# Altium PCB Length Bar Comparator.PcbDoc (part 6 of 6)
Units mm, origin at the board's own origin, x right, y up, seen from the top; angles counter-clockwise.
Board outline 299.85 x 245.49 mm, 4 copper layers (Top Layer, Internal Plane 1, Internal Plane 2, Bottom Layer), stack 0.778 mm thick; 462 components, 376 nets, 1824 pads, 805 vias.
Unrouted connection lines stored in the file: 8.
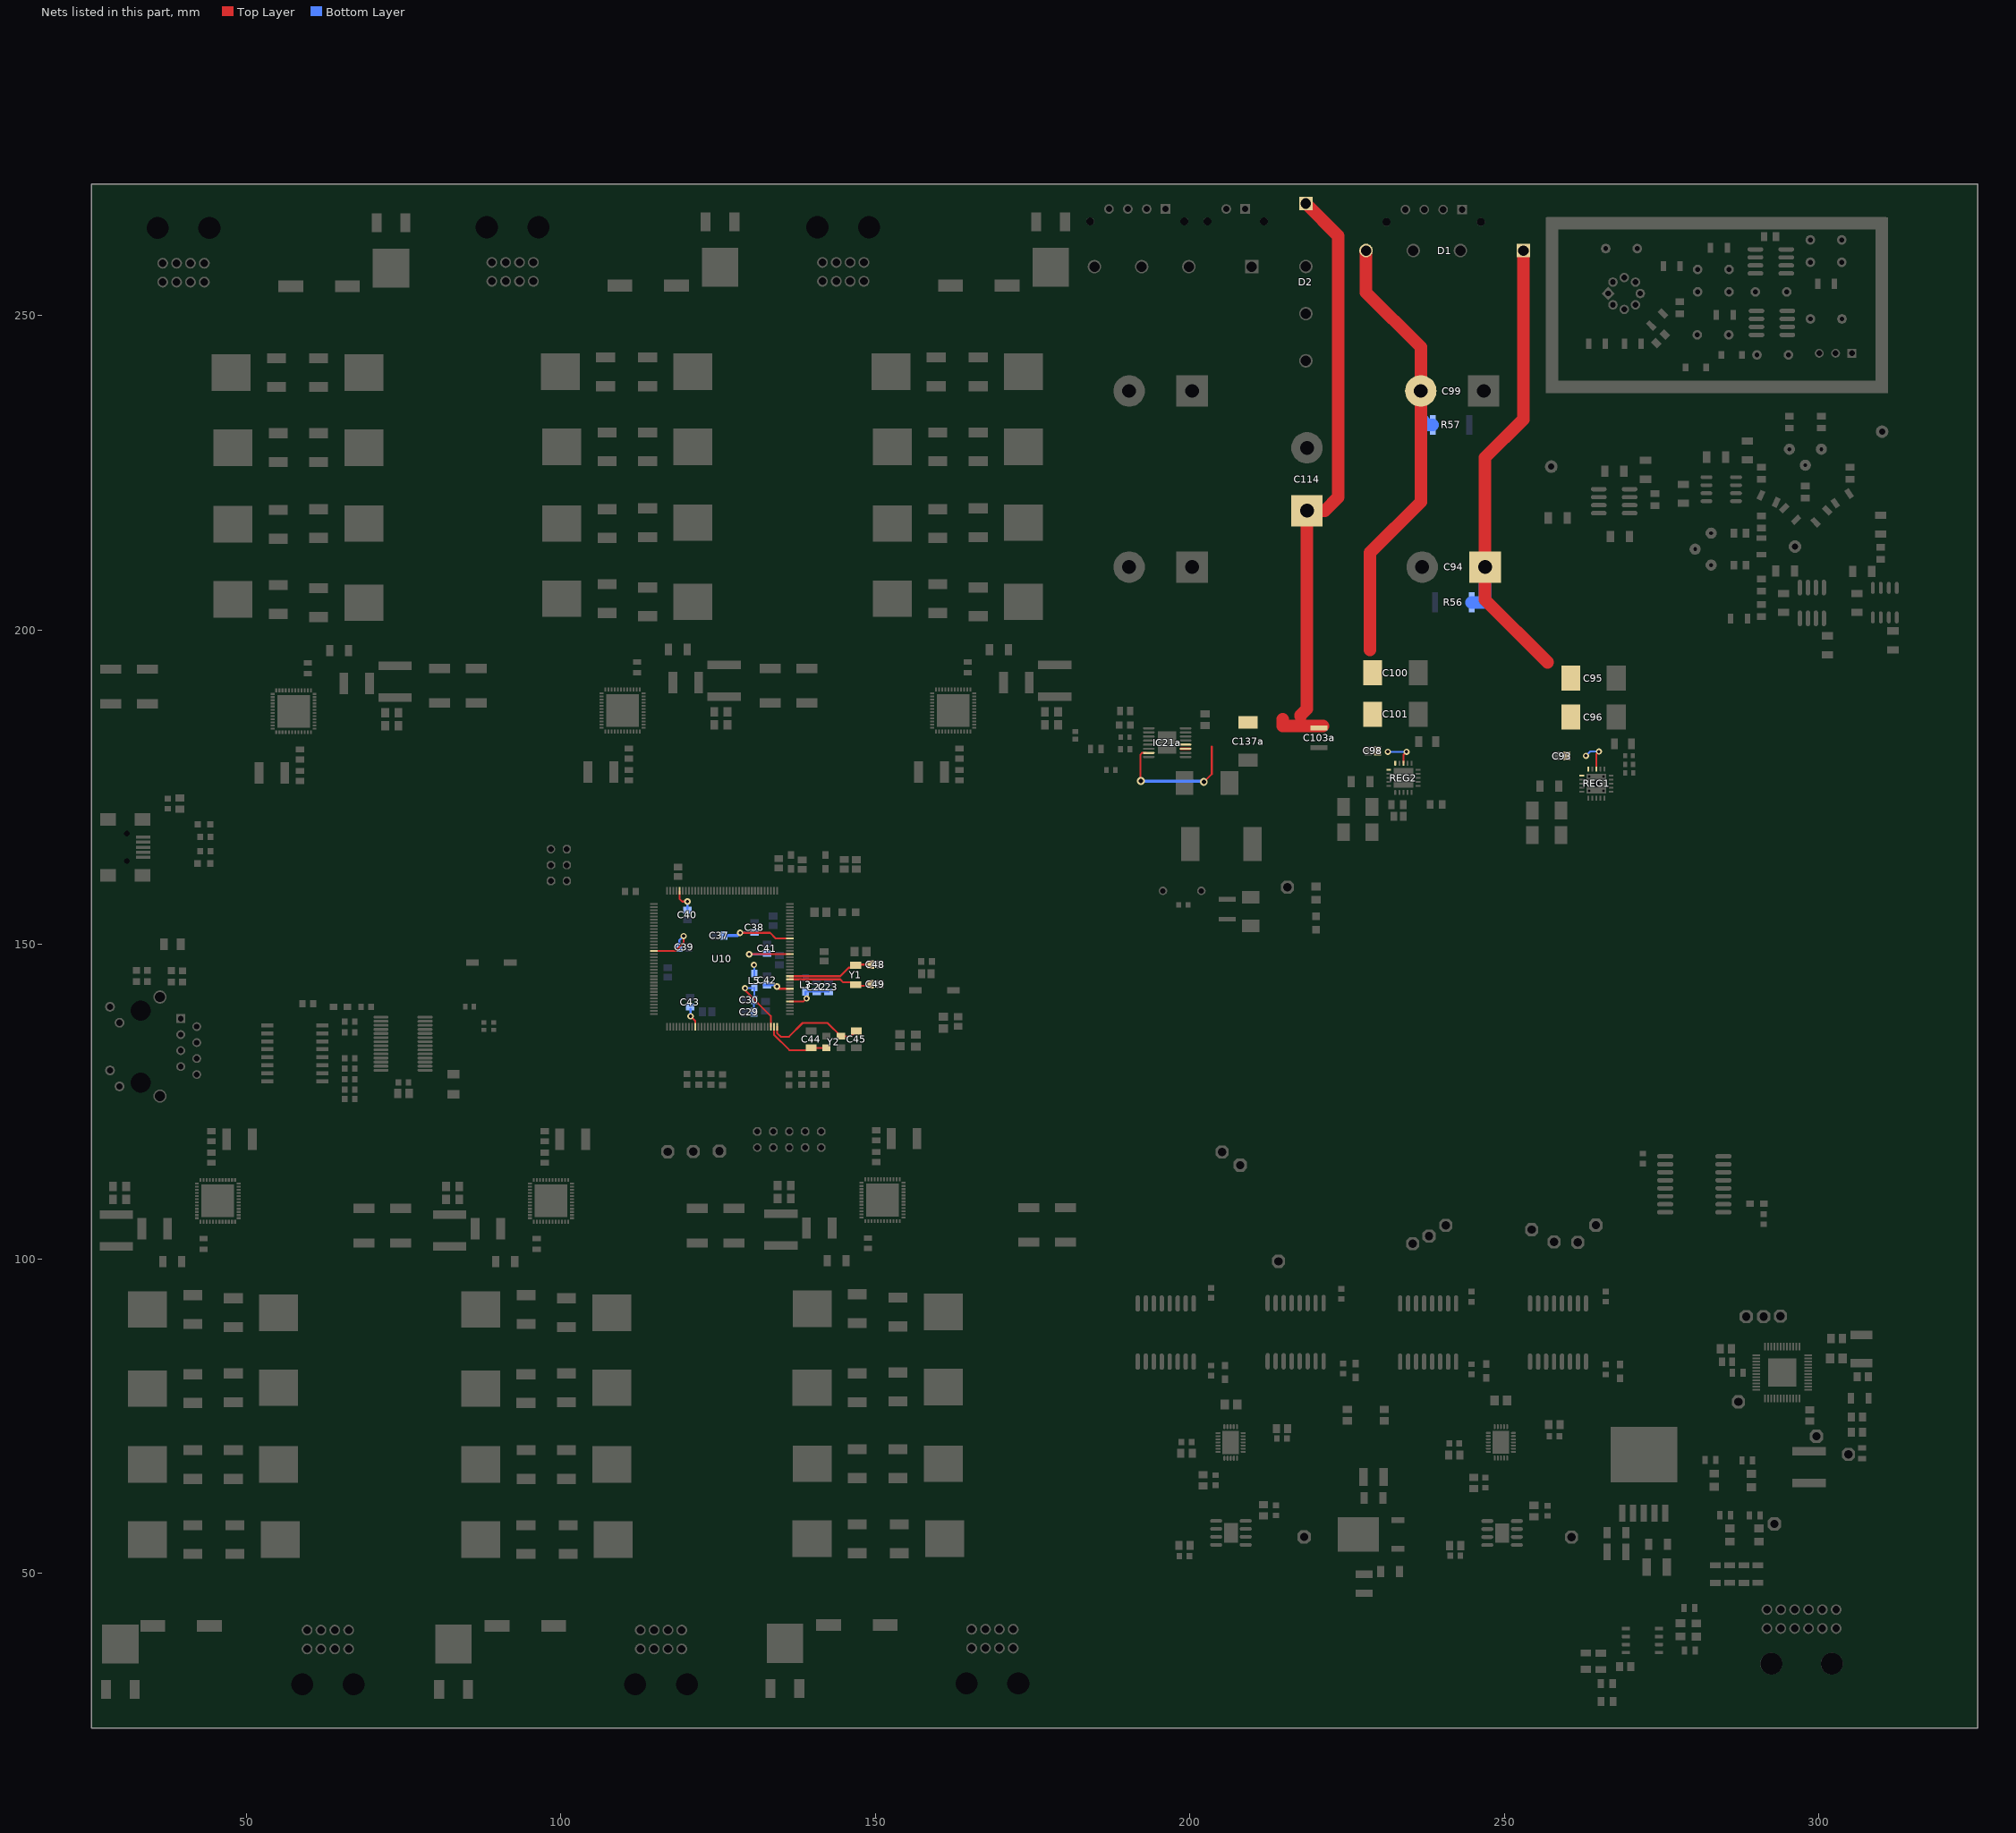
[diagram p8: the nets of this part, all layers, seen from the top]

## Via types
v1: diameter 1.016, hole 0.508, Top Layer to Bottom Layer, 512 vias
v2: diameter 1.27, hole 0.711, Top Layer to Bottom Layer, 194 vias
v3: diameter 1.5, hole 1, Top Layer to Bottom Layer, 31 vias
v4: diameter 2, hole 1, Top Layer to Bottom Layer, 24 vias
v5: diameter 0.762, hole 0.381, Top Layer to Bottom Layer, 20 vias
v6: diameter 1, hole 0.7, Top Layer to Bottom Layer, 6 vias
v7: diameter 1.27, hole 0.7, Top Layer to Bottom Layer, 6 vias
v8: diameter 3, hole 2, Top Layer to Bottom Layer, 4 vias
v9: diameter 0.5, hole 0.2, Top Layer to Bottom Layer, 4 vias
v10: diameter 1.4, hole 1, Top Layer to Bottom Layer, 2 vias
v11: diameter 1, hole 0.5, Top Layer to Bottom Layer, 1 vias
v12: diameter 1, hole 0.75, Top Layer to Bottom Layer, 1 vias

## Nets (pads, with @x,y where several pads share a name; then routed paths per layer and width w, separated by ;. In a path a pad name is that pad's centre, name@x,y a point inside that pad or via, vN(x,y) a via of type N, cw(c..) or ccw(c..) an arc to the next point about the centre after c; other vN are vias at no path point) (continued)
VDDOUT: C37.1 C38.1 C39.1 C40.1 C41.1 C42.1 C43.1 L5.1 U10.10 U10.45 U10.56 U10.61 U10.104 U10.124 | length 46.2
  Top Layer w0.305: U10.124@114.803,148.951 118.166,148.951 119.507,150.292 v1(119.507,151.333) ; U10.104@118.853,158.501 118.853,157.245 119.278,156.82 v1(120.117,156.82) ; v1(120.599,138.582) 121.353,137.829 U10.10@121.353,136.901 ; v1(128.473,151.841) 133.248,151.841 134.139,150.951 U10.61@136.403,150.951 ; v1(129.921,148.438) 129.934,148.451 U10.56@136.403,148.451 ; v1(134.341,143.313) 134.341,143.256 134.646,142.951 U10.45@136.403,142.951
  Bottom Layer w0.305: C39.1@118.833,149.555 118.833,150.659 v1(119.507,151.333) ; C40.1@120.117,155.69 v1(120.117,156.82) ; C43.1@120.574,139.814 120.599,139.788 v1(120.599,138.582) ; v1(128.473,151.841) 130.671,151.841 C38.1@130.785,151.955 ; v1(130.683,146.736) 130.734,146.685 L5.1@130.734,145.347 L5.1@130.734,145.009 ; 130.683,148.438 v1(129.921,148.438) ; 130.71,148.438 v1(129.921,148.438) ; C42.1@132.22,143.522 C42.1@132.766,143.522 134.1,143.522 134.309,143.313 v1(134.341,143.313) 134.448,143.313 v1@134.518,143.383 ; C41.1@132.766,148.577 132.627,148.438 v1(129.921,148.438)
  Bottom Layer w0.5: C37.1@125.921,151.409 128.041,151.409 v1(128.473,151.841)
VDDOUTMI: C22.1 C23.1 L3.2 U10.41 | length 7.6
  Top Layer w0.305: U10.41@136.403,140.951 138.589,140.951 v1(139.04,141.402)
  Bottom Layer w0.305: v1(139.04,141.402) 138.887,141.554 L3.2@138.887,142.486 142.514,142.486 C23.1@142.545,142.455
VDDPLL: C29.1 C30.1 L5.2 U10.34 | length 13
  Top Layer w0.305: v1(129.261,143.053) 129.261,142.723 133.353,138.63 U10.34@133.353,136.901
  Bottom Layer w0.305: v1(129.261,143.053) L5.2@130.454,143.053 ; C29.1@130.671,139.243 130.671,141.148 C30.1@130.696,141.173 130.734,141.211 L5.2@130.734,143.147
Vin2+: C103a.2 C114.1 C137a.2 D2.1 IC21a.3 IC21a.4 IC21a.15 | length 118.2
  Top Layer w0.3: v2(192.176,175.971) 192.091,176.057 192.091,180.167 192.371,180.447 IC21a.15@193.039,180.447 ; v2(202.184,175.819) 203.454,177.089 203.454,181.432
  Top Layer w0.381: IC21a.3@198.575,181.096 IC21a.3@199.982,181.096
  Top Layer w2: 214.73,185.801 214.73,184.714 C103a.2@221.132,184.714 ; 217.576,186.284 217.576,186.436 218.592,187.452 C114.1@218.592,218.948 221.412,218.948 223.571,221.107 223.571,262.639 D2.1@218.415,267.795
  Bottom Layer w0.5: v2(192.176,175.971) 202.032,175.971 v2(202.184,175.819)
Vin+: C93.2 C94.1 C95.1 C96.1 D1.1 R56.2 REG1.13 REG1.15 REG1.16 | length 84.9
  Top Layer w0.305: REG1.13@264.592,177.89 264.592,180.264 v1(264.998,180.67)
  Top Layer w2: D1.1@252.987,260.325 252.987,233.48 246.906,227.399 C94.1@246.906,210 246.906,204.808 256.845,194.869
  Bottom Layer w0.305: v1(262.941,179.984) 263.627,180.67 v1(264.998,180.67)
  Bottom Layer w2: R56.2@244.759,204.394 246.583,204.394 246.906,204.716 C94.1@246.906,210
Vin-: C98.1 C99.2 C100.2 C101.2 D1.4 R57.1 REG2.13 REG2.15 REG2.16 | length 82.2
  Top Layer w0.305: REG2.13@233.92,178.809 233.92,180.123 v1(234.417,180.619)
  Top Layer w2: D1.4@227.987,260.325 227.987,253.673 236.681,244.979 C99.2@236.681,238 236.681,220.374 228.6,212.293 228.6,196.799
  Bottom Layer w0.305: v1(231.445,180.619) v1(234.417,180.619)
  Bottom Layer w2: C99.2@236.681,238 236.681,233.625 237.693,232.613 R57.1@238.578,232.613
XIN: C45.1 U10.36 Y2.1 | length 16
  Top Layer w0.305: U10.36@134.353,136.901 134.353,135.928 134.95,135.331 136.246,135.331 138.43,137.516 142.385,137.516 Y2.1@144.508,135.393 146.108,135.393 C45.1@146.964,136.249
XIN32: C49.1 U10.48 Y1.P$2 | length 13.2
  Top Layer w0.305: U10.48@136.403,144.451 144.398,144.451 144.882,143.967 146.456,143.967 Y1.P$2@146.837,143.586 146.989,143.434 C49.1@149.212,143.434
XOUT: C44.1 U10.35 Y2.3 | length 10.8
  Top Layer w0.305: U10.35@133.853,136.901 133.853,135.666 136.322,133.198 139.424,133.198 C44.1@139.776,133.549 142.201,133.549 Y2.3@142.207,133.543
XOUT32: C48.1 U10.49 Y1.P$1 | length 13.6
  Top Layer w0.305: U10.49@136.403,144.951 144.392,144.951 145.745,146.304 146.456,146.304 Y1.P$1@146.837,146.686 146.938,146.787 C48.1@149.237,146.787
pads on no net: CON2.8 IC2.1 IC2.2 IC2.5 IC2.8 IC3.1 IC3.5 IC3.8 IC4.1 IC4.2 IC4.5 IC4.8 IC5.1 IC5.5 IC5.8 IC6.1 IC6.5 IC6.8 IC8.1 IC8.5 IC8.8 IC21a.1 IC21a.16 J1.7 J1.MH1 J1.MH2 J2.13 J2.14 P1.1 P1_1.9 P1_1.10 P1_2.9 P1_2.10 P1_3.9 P1_3.10 P1_4.9 P1_4.10 P1_5.9 P1_5.10 P1_6.9 P1_6.10 P2.1 P3.1 REG1.2 REG1.6 REG1.8 REG1.17 REG1.18 REG1.19 REG2.2 REG2.4 REG2.5 REG2.6 REG2.8 REG2.9 REG2.10 REG2.11 REG2.12 REG2.17 REG2.18 REG2.19 T1.4 T1.5 T1.10 T1.12 T1.13 U1.5 U1.6 U1.7 U1.8 U1.9 U1.17 U1.18 U1.19 U1.29 U1.30 U1.31 U1.32 U1.35 U1.36 U1.39 U1.40 U1.41 U1.42 U1_1.1 U1_1.10 U1_1.19 U1_1.20 U1_1.28 U1_1.37 U1_1.38 U1_1.39 U1_1.46 U1_1.47 U1_2.1 U1_2.10 U1_2.19 U1_2.20 U1_2.28 U1_2.37 U1_2.38 U1_2.39 U1_2.46 U1_2.47 U1_3.1 U1_3.10 U1_3.19 U1_3.20 U1_3.28 U1_3.37 U1_3.38 U1_3.39 U1_3.46 U1_3.47 U1_4.1 U1_4.10 U1_4.19 U1_4.20 U1_4.28 U1_4.37 U1_4.38 U1_4.39 U1_4.46 U1_4.47 U1_5.1 U1_5.10 U1_5.19 U1_5.20 U1_5.28 U1_5.37 U1_5.38 U1_5.39 U1_5.46 U1_5.47 U1_6.1 U1_6.10 U1_6.19 U1_6.20 U1_6.28 U1_6.37 U1_6.38 U1_6.39 U1_6.46 U1_6.47 U3.10 U3.21 U3.22 U3.23 U4.1 U4.5 U4.8 U5.6 U5.11 U6.3 U6.5 U6.24 U8.10 U8.21 U8.22 U8.23 U9.1 U9.5 U9.8 U10.1 U10.2 U10.3 U10.4 U10.5 U10.6 U10.7 U10.8 U10.9 U10.21 U10.22 U10.23 U10.24 U10.25 U10.26 U10.27 U10.32 U10.50 U10.51 U10.55 U10.69 U10.86 U10.87 U10.103 U10.111 U10.116 U10.117 U10.132 U10.142 U10.143 U10.144 U11.6 U11.11 U12.7 X1.4 X1.10 X1.11
copper on no net: | length 3.7
  Top Layer w0.305: v1@291.639,119.503 v1(291.643,119.507)
  Top Layer w1: 287.934,119.503 v1@291.639,119.503
  other v8: 283.693,238.658 257.531,251.612 309.982,251.612 283.693,264.693

## Polygon pours and split planes (outlines as drawn)
NetP1_5_7 on Top Layer "NETP1_5_7_L01_P598" (solid, remove dead copper, pour order 598): 95.579,208.534 82.498,208.534 82.498,257.302 91.769,257.302 91.769,260.858 77.291,260.858 77.291,198.12 95.579,198.12
NetP1_5_7 on Top Layer "NETP1_5_7_L01_P580" (solid, pour order 580): 115.835,198.099 96.658,198.099 96.531,198.226 96.404,198.099 93.864,198.099 93.864,208.513 104.024,208.513 104.024,200.639 111.644,200.639 111.644,204.703 115.835,204.703
NetQ3_5_3 on Top Layer "NETQ3_5_3_L01_P588" (solid, pour order 588): 82.879,192.278 82.879,197.358 78.434,197.358 78.434,192.278
NetP1_6_7 on Top Layer "NETP1_6_7_L01_P624" (solid, remove dead copper, pour order 624): 43.28,208.407 30.199,208.407 30.199,257.175 39.47,257.175 39.47,260.731 24.992,260.731 24.992,197.993 43.28,197.993
MOTOR_GND on Top Layer "MOTOR_GND_L01_P622" (solid, pour order 622): 37.565,184.277 37.565,190.246 25.5,190.246 25.5,184.277
NetQ7_6_3 on Top Layer "NETQ7_6_3_L01_P620" (solid, pour order 620): 36.549,197.231 31.85,197.231 31.85,192.151 36.549,192.151
NetP1_6_3 on Top Layer "NETP1_6_3_L01_P618" (solid, pour order 618): 43.28,220.345 36.676,220.345 36.676,252.73 39.47,252.73 39.47,256.667 30.961,256.667 30.961,209.931 43.28,209.931
NetP1_6_3 on Top Layer "NETP1_6_3_L01_P616" (solid, pour order 616): 63.663,209.91 44.486,209.91 44.359,210.037 44.232,209.91 41.692,209.91 41.692,220.324 51.852,220.324 51.852,212.45 59.472,212.45 59.472,216.514 63.663,216.514
NetQ3_6_3 on Top Layer "NETQ3_6_3_L01_P614" (solid, pour order 614): 30.58,192.151 30.58,197.231 26.135,197.231 26.135,192.151
NetP1_6_1 on Top Layer "NETP1_6_1_L01_P612" (solid, pour order 612): 42.645,232.537 40.486,232.537 40.486,249.555 44.169,249.555 44.169,256.667 40.105,256.667 40.105,251.841 37.565,251.841 37.565,222.123 42.645,222.123
NetP1_6_5 on Top Layer "NETP1_6_5_L01_P610" (solid, pour order 610): 45.312,257.175 40.232,257.175 40.232,260.731 45.312,260.731
NetP1_6_5 on Top Layer "Bottom Layer-No Net" (solid, pour order 608): 51.535,247.777 51.535,260.731 45.058,260.731 45.058,247.777
NetP1_6_7 on Top Layer "NETP1_6_7_L01_P606" (solid, pour order 606): 63.536,197.972 44.359,197.972 44.232,198.099 44.105,197.972 41.565,197.972 41.565,208.386 51.725,208.386 51.725,200.512 59.345,200.512 59.345,204.576 63.536,204.576
NetP1_6_1 on Top Layer "NETP1_6_1_L01_P604" (solid, pour order 604): 63.6,222.123 44.423,222.123 44.296,222.25 44.169,222.123 41.629,222.123 41.629,232.537 51.789,232.537 51.789,224.663 59.409,224.663 59.409,228.727 63.6,228.727
NetP1_6_5 on Top Layer "NETP1_6_5_L01_P602" (solid, pour order 602): 63.6,234.061 44.169,234.061 44.042,234.188 43.915,234.061 41.375,234.061 41.375,248.666 51.535,248.666 51.535,236.601 59.155,236.601 59.155,240.792 63.6,240.792
MOTOR_GND on Top Layer "MOTOR_GND_L01_P596" (solid, pour order 596): 89.864,184.404 89.864,190.373 77.799,190.373 77.799,184.404
NetQ7_5_3 on Top Layer "NETQ7_5_3_L01_P594" (solid, pour order 594): 88.848,197.358 84.149,197.358 84.149,192.278 88.848,192.278
NetP1_5_3 on Top Layer "NETP1_5_3_L01_P592" (solid, pour order 592): 95.579,220.472 88.975,220.472 88.975,252.857 91.769,252.857 91.769,256.794 83.26,256.794 83.26,210.058 95.579,210.058
NetP1_5_3 on Top Layer "NETP1_5_3_L01_P590" (solid, pour order 590): 115.962,210.037 96.785,210.037 96.658,210.164 96.531,210.037 93.991,210.037 93.991,220.451 104.151,220.451 104.151,212.577 111.771,212.577 111.771,216.641 115.962,216.641
NetP1_5_1 on Top Layer "NETP1_5_1_L01_P586" (solid, pour order 586): 94.944,232.664 92.785,232.664 92.785,249.682 96.468,249.682 96.468,256.794 92.404,256.794 92.404,251.968 89.864,251.968 89.864,222.25 94.944,222.25
NetP1_5_5 on Top Layer "Bottom Layer-No Net" (solid, pour order 582): 103.834,247.904 103.834,260.858 97.357,260.858 97.357,247.904
NetP1_5_1 on Top Layer "NETP1_5_1_L01_P578" (solid, pour order 578): 115.899,222.25 96.722,222.25 96.595,222.377 96.468,222.25 93.928,222.25 93.928,232.664 104.088,232.664 104.088,224.79 111.708,224.79 111.708,228.854 115.899,228.854
NetP1_5_5 on Top Layer "NETP1_5_5_L01_P576" (solid, pour order 576): 115.899,234.188 96.468,234.188 96.341,234.315 96.214,234.188 93.674,234.188 93.674,248.793 103.834,248.793 103.834,236.728 111.454,236.728 111.454,240.919 115.899,240.919
"Drain Current5" on Top Layer "DRAIN_CURRENT5_L01_P574" (solid, pour order 574): 128.599,198.247 128.599,260.858 117.169,260.858 117.169,198.247
NetP1_4_7 on Top Layer "NETP1_4_7_L01_P572" (solid, remove dead copper, pour order 572): 148.132,208.534 135.051,208.534 135.051,257.302 144.322,257.302 144.322,260.858 129.844,260.858 129.844,198.12 148.132,198.12
MOTOR_GND on Top Layer "MOTOR_GND_L01_P570" (solid, pour order 570): 142.417,184.404 142.417,190.373 130.352,190.373 130.352,184.404
NetQ7_4_3 on Top Layer "NETQ7_4_3_L01_P568" (solid, pour order 568): 141.401,197.358 136.702,197.358 136.702,192.278 141.401,192.278
NetP1_4_3 on Top Layer "NETP1_4_3_L01_P566" (solid, pour order 566): 148.132,220.472 141.528,220.472 141.528,252.857 144.322,252.857 144.322,256.794 135.813,256.794 135.813,210.058 148.132,210.058
NetP1_4_3 on Top Layer "NETP1_4_3_L01_P564" (solid, pour order 564): 168.515,210.037 149.338,210.037 149.211,210.164 149.084,210.037 146.544,210.037 146.544,220.451 156.704,220.451 156.704,212.577 164.324,212.577 164.324,216.641 168.515,216.641
NetQ3_4_3 on Top Layer "NETQ3_4_3_L01_P562" (solid, pour order 562): 135.432,192.278 135.432,197.358 130.987,197.358 130.987,192.278
NetP1_4_1 on Top Layer "NETP1_4_1_L01_P560" (solid, pour order 560): 147.497,232.664 145.338,232.664 145.338,249.682 149.021,249.682 149.021,256.794 144.957,256.794 144.957,251.968 142.417,251.968 142.417,222.25 147.497,222.25
NetP1_4_5 on Top Layer "NETP1_4_5_L01_P558" (solid, pour order 558): 150.164,257.302 145.084,257.302 145.084,260.858 150.164,260.858
NetP1_4_5 on Top Layer "Bottom Layer-No Net" (solid, pour order 556): 156.387,247.904 156.387,260.858 149.91,260.858 149.91,247.904
NetP1_4_7 on Top Layer "NETP1_4_7_L01_P554" (solid, pour order 554): 168.388,198.099 149.211,198.099 149.084,198.226 148.957,198.099 146.417,198.099 146.417,208.513 156.577,208.513 156.577,200.639 164.197,200.639 164.197,204.703 168.388,204.703
NetP1_4_1 on Top Layer "NETP1_4_1_L01_P552" (solid, pour order 552): 168.452,222.25 149.275,222.25 149.148,222.377 149.021,222.25 146.481,222.25 146.481,232.664 156.641,232.664 156.641,224.79 164.261,224.79 164.261,228.854 168.452,228.854
NetP1_4_5 on Top Layer "NETP1_4_5_L01_P550" (solid, pour order 550): 168.452,234.188 149.021,234.188 148.894,234.315 148.767,234.188 146.227,234.188 146.227,248.793 156.387,248.793 156.387,236.728 164.007,236.728 164.007,240.919 168.452,240.919
"Drain Current4" on Top Layer "DRAIN_CURRENT4_L01_P548" (solid, pour order 548): 181.152,198.247 181.152,260.858 169.722,260.858 169.722,198.247
NetP1_3_7 on Top Layer "NETP1_3_7_L01_P546" (solid, remove dead copper, pour order 546): 165.329,88.011 178.41,88.011 178.41,39.243 169.139,39.243 169.139,35.687 183.617,35.687 183.617,98.425 165.329,98.425
MOTOR_GND on Top Layer "MOTOR_GND_L01_P544" (solid, pour order 544): 171.044,112.141 171.044,106.172 183.109,106.172 183.109,112.141
NetQ7_3_3 on Top Layer "NETQ7_3_3_L01_P542" (solid, pour order 542): 172.06,99.187 176.759,99.187 176.759,104.267 172.06,104.267
NetP1_3_3 on Top Layer "NETP1_3_3_L01_P540" (solid, pour order 540): 165.329,76.073 171.933,76.073 171.933,43.688 169.139,43.688 169.139,39.751 177.648,39.751 177.648,86.487 165.329,86.487
NetP1_3_3 on Top Layer "NETP1_3_3_L01_P538" (solid, pour order 538): 144.946,86.508 164.123,86.508 164.25,86.381 164.377,86.508 166.917,86.508 166.917,76.094 156.757,76.094 156.757,83.968 149.137,83.968 149.137,79.904 144.946,79.904
NetQ3_3_3 on Top Layer "NETQ3_3_3_L01_P536" (solid, pour order 536): 178.029,104.267 178.029,99.187 182.474,99.187 182.474,104.267
NetP1_3_1 on Top Layer "NETP1_3_1_L01_P534" (solid, pour order 534): 165.964,63.881 168.123,63.881 168.123,46.863 164.44,46.863 164.44,39.751 168.504,39.751 168.504,44.577 171.044,44.577 171.044,74.295 165.964,74.295
NetP1_3_5 on Top Layer "NETP1_3_5_L01_P532" (solid, pour order 532): 163.297,39.243 168.377,39.243 168.377,35.687 163.297,35.687
NetP1_3_5 on Top Layer "Bottom Layer-No Net" (solid, pour order 530): 157.074,48.641 157.074,35.687 163.551,35.687 163.551,48.641
NetP1_3_7 on Top Layer "NETP1_3_7_L01_P528" (solid, pour order 528): 145.073,98.446 164.25,98.446 164.377,98.319 164.504,98.446 167.044,98.446 167.044,88.032 156.884,88.032 156.884,95.906 149.264,95.906 149.264,91.842 145.073,91.842
NetP1_3_1 on Top Layer "NETP1_3_1_L01_P526" (solid, pour order 526): 145.009,74.295 164.186,74.295 164.313,74.168 164.44,74.295 166.98,74.295 166.98,63.881 156.82,63.881 156.82,71.755 149.2,71.755 149.2,67.691 145.009,67.691
NetP1_3_5 on Top Layer "NETP1_3_5_L01_P524" (solid, pour order 524): 145.009,62.357 164.44,62.357 164.567,62.23 164.694,62.357 167.234,62.357 167.234,47.752 157.074,47.752 157.074,59.817 149.454,59.817 149.454,55.626 145.009,55.626
"Drain Current3" on Top Layer "DRAIN_CURRENT3_L01_P522" (solid, pour order 522): 132.309,98.298 132.309,35.687 143.739,35.687 143.739,98.298
NetP1_2_7 on Top Layer "NETP1_2_7_L01_P520" (solid, remove dead copper, pour order 520): 112.649,87.884 125.73,87.884 125.73,39.116 116.459,39.116 116.459,35.56 130.937,35.56 130.937,98.298 112.649,98.298
MOTOR_GND on Top Layer "MOTOR_GND_L01_P518" (solid, pour order 518): 118.364,112.014 118.364,106.045 130.429,106.045 130.429,112.014
NetQ7_2_3 on Top Layer "NETQ7_2_3_L01_P516" (solid, pour order 516): 119.38,99.06 124.079,99.06 124.079,104.14 119.38,104.14
NetP1_2_3 on Top Layer "NETP1_2_3_L01_P514" (solid, pour order 514): 112.649,75.946 119.253,75.946 119.253,43.561 116.459,43.561 116.459,39.624 124.968,39.624 124.968,86.36 112.649,86.36
NetP1_2_3 on Top Layer "NETP1_2_3_L01_P512" (solid, pour order 512): 92.266,86.381 111.443,86.381 111.57,86.254 111.697,86.381 114.237,86.381 114.237,75.967 104.077,75.967 104.077,83.841 96.457,83.841 96.457,79.777 92.266,79.777
NetQ3_2_3 on Top Layer "NETQ3_2_3_L01_P510" (solid, pour order 510): 125.349,104.14 125.349,99.06 129.794,99.06 129.794,104.14
NetP1_2_1 on Top Layer "NETP1_2_1_L01_P508" (solid, pour order 508): 113.284,63.754 115.443,63.754 115.443,46.736 111.76,46.736 111.76,39.624 115.824,39.624 115.824,44.45 118.364,44.45 118.364,74.168 113.284,74.168
NetP1_2_5 on Top Layer "NETP1_2_5_L01_P506" (solid, pour order 506): 110.617,39.116 115.697,39.116 115.697,35.56 110.617,35.56
NetP1_2_5 on Top Layer "Bottom Layer-No Net" (solid, pour order 504): 104.394,48.514 104.394,35.56 110.871,35.56 110.871,48.514
NetP1_2_7 on Top Layer "NETP1_2_7_L01_P502" (solid, pour order 502): 92.393,98.319 111.57,98.319 111.697,98.192 111.824,98.319 114.364,98.319 114.364,87.905 104.204,87.905 104.204,95.779 96.584,95.779 96.584,91.715 92.393,91.715
NetP1_2_1 on Top Layer "NETP1_2_1_L01_P500" (solid, pour order 500): 92.329,74.168 111.506,74.168 111.633,74.041 111.76,74.168 114.3,74.168 114.3,63.754 104.14,63.754 104.14,71.628 96.52,71.628 96.52,67.564 92.329,67.564
NetP1_2_5 on Top Layer "NETP1_2_5_L01_P498" (solid, pour order 498): 92.329,62.23 111.76,62.23 111.887,62.103 112.014,62.23 114.554,62.23 114.554,47.625 104.394,47.625 104.394,59.69 96.774,59.69 96.774,55.499 92.329,55.499
"Drain Current2" on Top Layer "DRAIN_CURRENT2_L01_P496" (solid, pour order 496): 79.629,98.171 79.629,35.56 91.059,35.56 91.059,98.171
NetP1_1_7 on Top Layer "NETP1_1_7_L01_P020" (solid, remove dead copper, pour order 20): 59.69,87.884 72.771,87.884 72.771,39.116 63.5,39.116 63.5,35.56 77.978,35.56 77.978,98.298 59.69,98.298
MOTOR_GND on Top Layer "MOTOR_GND_L01_P026" (solid, pour order 26): 65.405,112.014 65.405,106.045 77.47,106.045 77.47,112.014
NetQ7_1_3 on Top Layer "NETQ7_1_3_L01_P022" (solid, pour order 22): 66.421,99.06 71.12,99.06 71.12,104.14 66.421,104.14
NetP1_1_3 on Top Layer "NETP1_1_3_L01_P018" (solid, pour order 18): 59.69,75.946 66.294,75.946 66.294,43.561 63.5,43.561 63.5,39.624 72.009,39.624 72.009,86.36 59.69,86.36
NetP1_1_3 on Top Layer "NETP1_1_3_L01_P006" (solid, pour order 6): 39.307,86.381 58.484,86.381 58.611,86.254 58.738,86.381 61.278,86.381 61.278,75.967 51.118,75.967 51.118,83.841 43.498,83.841 43.498,79.777 39.307,79.777
NetQ3_1_3 on Top Layer "NETQ3_1_3_L01_P024" (solid, pour order 24): 72.39,104.14 72.39,99.06 76.835,99.06 76.835,104.14
NetP1_1_1 on Top Layer "NETP1_1_1_L01_P016" (solid, pour order 16): 60.325,63.754 62.484,63.754 62.484,46.736 58.801,46.736 58.801,39.624 62.865,39.624 62.865,44.45 65.405,44.45 65.405,74.168 60.325,74.168
NetP1_1_5 on Top Layer "NETP1_1_5_L01_P012" (solid, pour order 12): 57.658,39.116 62.738,39.116 62.738,35.56 57.658,35.56
NetP1_1_5 on Top Layer "Bottom Layer-No Net" (solid, pour order 10): 51.435,48.514 51.435,35.56 57.912,35.56 57.912,48.514
NetP1_1_7 on Top Layer "NETP1_1_7_L01_P008" (solid, pour order 8): 39.434,98.319 58.611,98.319 58.738,98.192 58.865,98.319 61.405,98.319 61.405,87.905 51.245,87.905 51.245,95.779 43.625,95.779 43.625,91.715 39.434,91.715
NetP1_1_1 on Top Layer "NETP1_1_1_L01_P004" (solid, pour order 4): 39.37,74.168 58.547,74.168 58.674,74.041 58.801,74.168 61.341,74.168 61.341,63.754 51.181,63.754 51.181,71.628 43.561,71.628 43.561,67.564 39.37,67.564
NetP1_1_5 on Top Layer "NETP1_1_5_L01_P000" (solid, pour order 0): 39.37,62.23 58.801,62.23 58.928,62.103 59.055,62.23 61.595,62.23 61.595,47.625 51.435,47.625 51.435,59.69 43.815,59.69 43.815,55.499 39.37,55.499
"Drain Current1" on Top Layer "DRAIN_CURRENT1_L01_P002" (solid, pour order 2): 26.67,98.171 26.67,35.56 38.1,35.56 38.1,98.171
"Drain Current6" on Top Layer "DRAIN_CURRENT6_L01_P600" (solid, pour order 600): 76.3,198.12 76.3,260.731 64.87,260.731 64.87,198.12
NetP1_5_5 on Top Layer "NETP1_5_5_L01_P584" (solid, pour order 584): 97.611,257.302 92.531,257.302 92.531,260.858 97.611,260.858
Vin+ on Top Layer "VIN+_L01_P626" (solid, remove dead copper, pour order 626): 263.906,196.571 255.194,196.571 255.194,185.903 259.334,181.762 259.334,177.851 260.452,176.733 262.636,176.733 262.661,176.759 262.661,177.495 262.687,177.521 263.449,177.521 263.449,181.864 263.906,182.321
+15VA on Top Layer "+15VA_L01_P628" (solid, pour order 628): 257.937,175.895 257.937,164.821 264.795,164.821 264.795,173.609 262.636,173.609 262.636,174.422 261.823,174.422 260.35,175.895
-15VA on Top Layer "-15VA_L01_P630" (solid, pour order 630): 232.893,174.498 232.893,165.303 227.914,165.303 227.914,176.911 229.489,176.911 231.013,175.387 231.902,175.387 231.902,174.498
Vin- on Top Layer "VIN-_L01_P632" (solid, pour order 632): 231.597,198.069 231.597,181.254 232.791,180.061 232.791,178.435 231.902,178.435 231.902,177.546 229.108,177.546 229.108,181.813 228.282,182.588 224.282,186.588 224.282,198.069
NetC138a_1 on Top Layer "NETC138A_1_L01_P658" (solid, pour order 658): 198.78,155.346 198.78,157.378 201.625,160.223 201.6,160.249 201.6,174.473 201.041,174.473 201.041,178.435 202.717,178.435 202.717,180.391 201.168,180.391 201.168,179.908 198.882,177.622 196.901,177.622 196.901,155.372 196.926,155.346
+3V3 on Top Layer "+3V3" (solid, pour order 660): 206.979,158.849 204.185,158.849 204.185,157.706 201.47,154.991 195.93,154.991 195.93,159.611 195.803,159.611 194.66,160.754 191.993,160.754 191.993,153.086 204.185,153.086 204.185,156.055 206.979,156.055 206.979,156.436
Vin2+ on Top Layer "Vin2" (solid, pour order 664): 217.27,183.723 209.245,183.723 209.245,180.929 198.45,180.929 198.45,181.945 206.223,181.945 206.223,187.533 217.27,187.533
+3V3 on Top Layer "+3V3" (solid, pour order 662): 204.693,170.942 212.44,170.942 212.44,156.69 204.693,156.69
MOTOR_GND on Internal Plane 1 (split plane): 223 vertices, not listed, extent 26.002,174.492 194.62,270.381
Eth_GND on Internal Plane 1 (split plane): 50.831,127.477 38.729,127.477 38.729,155.174 50.831,155.174
AGND on Internal Plane 1 (split plane): 305 vertices, not listed, extent 183.611,25.91 324.737,270.381
DGND on Internal Plane 1 (split plane): 457 vertices, not listed, extent 25.91,35.681 277.678,270.381
MOTOR_GND on Internal Plane 1 (split plane): 234 vertices, not listed, extent 25.91,25.91 182.607,121.926
NetQ7_4_3 on Internal Plane 2 (split plane): 163.251,221.107 163.251,201.67 145.846,201.67 145.748,201.661 145.654,201.632 145.567,201.586 145.491,201.523 145.428,201.447 145.382,201.36 145.353,201.266 145.344,201.168 145.344,192.145 136.569,192.145 136.569,221.24 163.251,221.24
"Drain Current4" on Internal Plane 2 (split plane): 22 vertices, not listed, extent 130.854,201.797 180.854,260.356
NetQ7_3_3 on Internal Plane 2 (split plane): 176.892,75.305 150.21,75.305 150.21,75.438 150.21,94.875 167.615,94.875 167.713,94.884 167.807,94.913 167.894,94.959 167.97,95.022 168.033,95.098 168.079,95.185 168.108,95.279 168.117,95.377 168.117,104.4 176.892,104.4
NetQ3_4_3 on Internal Plane 2 (split plane): 163.124,223.012 163.124,222.244 136.067,222.244 135.969,222.235 135.875,222.206 135.788,222.16 135.712,222.097 135.649,222.021 135.603,221.934 135.574,221.84 135.565,221.742 135.565,192.145 130.854,192.145 130.854,246.386 163.124,246.386
NetQ7_5_3 on Internal Plane 2 (split plane): 110.698,221.107 110.698,201.67 93.293,201.67 93.195,201.661 93.101,201.632 93.014,201.586 92.938,201.523 92.875,201.447 92.829,201.36 92.8,201.266 92.791,201.168 92.791,192.145 84.016,192.145 84.016,221.24 110.698,221.24
VDDOUT on Internal Plane 2 (split plane): 63 vertices, not listed, extent 116.766,136.807 135.684,158.722
-15VA on Internal Plane 2 (split plane): 194 vertices, not listed, extent 183.611,40.126 308.768,234.625
+15VA on Internal Plane 2 (split plane): 198 vertices, not listed, extent 183.608,25.91 324.737,270.381
NetQ3_3_3 on Internal Plane 2 (split plane): 21 vertices, not listed, extent 150.337,50.159 182.607,104.4
NetQ3_2_3 on Internal Plane 2 (split plane): 129.927,50.032 97.657,50.032 97.657,73.406 97.657,74.174 124.714,74.174 124.812,74.183 124.906,74.212 124.993,74.258 125.069,74.321 125.132,74.397 125.178,74.484 125.207,74.578 125.216,74.676 125.216,104.273 129.927,104.273
NetQ7_2_3 on Internal Plane 2 (split plane): 124.212,75.178 97.53,75.178 97.53,75.311 97.53,94.748 114.935,94.748 115.033,94.757 115.127,94.786 115.214,94.832 115.29,94.895 115.353,94.971 115.399,95.058 115.428,95.152 115.437,95.25 115.437,104.273 124.212,104.273
"Drain Current3" on Internal Plane 2 (split plane): 26 vertices, not listed, extent 130.931,36.614 182.607,94.887
"Drain Current5" on Internal Plane 2 (split plane): 23 vertices, not listed, extent 78.301,201.67 129.85,260.356
MOTOR_PWR on Internal Plane 2 (split plane): 17 vertices, not listed, extent 25.91,201.797 214.077,270.381
NetQ3_5_3 on Internal Plane 2 (split plane): 110.571,223.012 110.571,222.244 83.514,222.244 83.416,222.235 83.322,222.206 83.235,222.16 83.159,222.097 83.096,222.021 83.05,221.934 83.021,221.84 83.012,221.742 83.012,192.145 78.301,192.145 78.301,246.386 110.571,246.386
NetQ3_6_3 on Internal Plane 2 (split plane): 58.272,222.885 58.272,222.117 31.215,222.117 31.117,222.108 31.023,222.079 30.936,222.033 30.86,221.97 30.797,221.894 30.751,221.807 30.722,221.713 30.713,221.615 30.713,192.018 26.002,192.018 26.002,246.259 58.272,246.259
"Drain Current6" on Internal Plane 2 (split plane): 23 vertices, not listed, extent 26.002,201.543 77.297,260.356
NetQ7_6_3 on Internal Plane 2 (split plane): 58.399,220.98 58.399,201.543 40.994,201.543 40.896,201.534 40.802,201.505 40.715,201.459 40.639,201.396 40.576,201.32 40.53,201.233 40.501,201.139 40.492,201.041 40.492,192.018 31.717,192.018 31.717,221.113 58.399,221.113
"Drain Current2" on Internal Plane 2 (split plane): 28 vertices, not listed, extent 77.972,36.618 129.927,94.933
+3V3 on Internal Plane 2 (split plane): 148 vertices, not listed, extent 25.91,91.13 277.678,270.381
MOTOR_PWR on Internal Plane 2 (split plane): 182.606,26.015 182.502,25.91 25.91,25.91 25.91,34.614 182.547,34.614 182.606,34.618
NetQ3_1_3 on Internal Plane 2 (split plane): 76.968,50.032 44.698,50.032 44.698,73.406 44.698,74.174 71.755,74.174 71.853,74.183 71.947,74.212 72.034,74.258 72.11,74.321 72.173,74.397 72.219,74.484 72.248,74.578 72.257,74.676 72.257,104.273 76.968,104.273
NetQ7_1_3 on Internal Plane 2 (split plane): 71.253,75.178 44.571,75.178 44.571,75.311 44.571,94.748 61.976,94.748 62.074,94.757 62.168,94.786 62.255,94.832 62.331,94.895 62.394,94.971 62.44,95.058 62.469,95.152 62.478,95.25 62.478,104.273 71.253,104.273
"Drain Current1" on Internal Plane 2 (split plane): 22 vertices, not listed, extent 25.91,36.618 76.968,94.748

## Other copper
Internal Plane 1 (plane layer: these items are gaps in the copper):
  lines w0.254: 38.227,126.975 38.329,126.975 ; 38.227,155.626 38.252,155.626 ; 47.471,184.658 47.471,184.785 ; 55.499,111.506 55.499,111.633 ; 89.789,35.179 89.789,35.306 ; 99.77,184.785 99.77,184.912 ; 108.458,111.506 108.458,111.633 ; 142.494,35.179 142.494,35.306 ; 152.323,184.785 152.323,184.912 ; 161.138,111.633 161.138,111.76 ; 170.992,186.944 171.094,186.944 ; 170.992,201.574 171.094,201.574 ; 170.992,260.858 170.992,260.985 ; 171.094,244.5 170.993,244.5 171.12,244.5 ; 226.111,270.891 226.136,270.891
  lines w1: 25.4,35.179 36.83,35.179 36.83,109.474 43.307,109.474 43.307,102.489 53.721,102.489 53.721,106.553 50.165,106.553 50.165,107.315 48.895,107.315 48.895,122.301 55.499,122.301 55.499,111.633 ; 38.227,126.975 38.227,155.626 ; 38.227,155.677 51.333,155.677 51.333,126.975 38.329,126.975 ; 46.482,25.4 53.086,25.4 67.945,25.4 ; 47.471,184.658 47.471,173.99 54.075,173.99 54.075,188.976 52.805,188.976 52.805,189.738 49.249,189.738 49.249,193.802 59.663,193.802 59.663,186.817 66.14,186.817 66.14,260.885 77.724,260.885 ; 47.471,184.785 25.5,184.785 25.5,270.891 49.884,270.891 56.134,270.891 ; 55.499,111.506 77.47,111.506 77.47,35.179 89.789,35.179 89.789,109.474 96.266,109.474 96.266,102.489 106.68,102.489 106.68,106.553 103.124,106.553 103.124,107.315 101.854,107.315 101.854,122.301 108.458,122.301 108.458,111.633 ; 77.724,260.858 77.724,184.912 99.77,184.912 ; 77.724,270.891 108.356,270.891 ; 99.568,25.4 106.045,25.4 120.65,25.4 ; 99.77,184.785 99.77,174.117 106.374,174.117 106.374,189.103 105.104,189.103 105.104,189.865 101.548,189.865 101.548,193.929 111.962,193.929 111.962,186.944 118.439,186.944 118.439,260.858 130.352,260.858 130.352,184.912 152.323,184.912 ; 108.458,111.506 130.429,111.506 130.429,35.179 142.494,35.179 ; 140.716,271.018 154.736,271.018 188.316,271.018 188.316,244.5 195.123,244.5 195.123,201.574 171.094,201.574 171.094,186.944 ; 142.469,35.458 142.469,109.601 148.946,109.601 148.946,102.616 159.36,102.616 159.36,106.68 155.804,106.68 155.804,107.442 154.534,107.442 154.534,122.428 161.138,122.428 161.138,111.76 ; 152.323,184.785 152.323,174.117 158.927,174.117 158.927,189.103 157.657,189.103 157.657,189.865 154.101,189.865 154.101,193.929 164.515,193.929 164.515,186.944 170.992,186.944 ; 152.4,25.527 158.725,25.527 183.109,25.527 183.109,111.633 161.138,111.633 ; 182.982,90.627 278.181,90.627 278.181,121.615 ; 183.083,80.721 208.432,80.721 208.432,67.285 199.822,67.285 199.822,60.096 213.69,60.096 213.69,80.721 251.104,80.721 251.104,67.107 242.976,67.107 242.976,59.944 255.93,59.944 255.93,80.721 282.651,80.721 282.651,84.988 ; 226.136,270.891 226.136,182.067 217.424,182.067 217.424,117.653 278.181,117.653 ; 267.081,80.67 265.608,80.67 265.608,32.791 282.346,32.791 282.346,38.303 305.562,38.303 305.562,62.23 308.762,62.23 308.762,89.84 296.824,89.84 296.824,121.615 ; 282.651,84.557 282.651,120.472 283.947,121.768
Internal Plane 2 (plane layer: these items are gaps in the copper):
  rectangle: 201.016,260.858 214.45,270.942
  lines w0.254: 25.373,260.731 25.373,260.858 ; 31.215,191.516 31.215,221.615 58.774,221.615 ; 44.196,74.676 71.755,74.676 71.755,104.775 ; 83.514,191.643 83.514,221.742 111.073,221.742 ; 97.155,74.676 124.714,74.676 124.714,104.775 ; 116.637,152.273 116.637,149.428 118.415,149.428 ; 116.637,152.349 118.77,152.349 118.77,158.852 122.225,158.852 122.225,153.314 132.613,153.314 132.613,148.412 134.899,148.412 134.899,145.898 134.899,145.237 135.814,145.237 135.814,141.859 132.232,141.859 132.232,144.272 128.854,144.272 128.854,145.237 128.854,149.428 ; 118.389,149.454 118.415,149.454 118.415,136.677 121.895,136.677 121.895,139.903 121.92,139.903 121.92,149.454 128.854,149.454 ; 136.067,191.643 136.067,221.742 163.626,221.742 ; 149.835,74.803 177.394,74.803 177.394,104.902 ; 181.305,201.295 181.305,260.858 181.356,260.858 ; 182.016,270.942 182.524,270.942 ; 182.547,35.616 183.109,35.616 ; 225.781,270.84 226.111,270.84 ; 235.788,175.133 235.839,175.133 ; 246.863,74.32 246.888,74.32
  lines w1: 25.373,260.731 25.5,260.604 25.5,246.761 ; 25.373,260.858 77.672,260.858 77.799,260.731 77.799,246.888 ; 25.4,95.25 44.196,95.25 ; 44.196,74.676 44.196,73.406 44.196,49.53 77.47,49.53 ; 58.774,201.041 77.57,201.041 ; 58.774,221.615 58.774,222.885 58.774,246.761 25.5,246.761 ; 77.089,260.858 181.356,260.858 181.356,201.295 163.753,201.295 ; 77.597,35.56 77.47,35.687 77.47,49.53 ; 78.359,95.25 97.155,95.25 ; 97.155,74.676 97.155,73.406 97.155,49.53 130.429,49.53 ; 111.073,201.168 129.869,201.168 ; 111.073,221.742 111.073,223.012 111.073,246.888 77.799,246.888 ; 130.225,260.858 130.352,260.731 130.352,246.888 ; 130.556,35.56 130.429,35.687 130.429,49.53 ; 131.039,95.377 149.835,95.377 ; 149.835,74.803 149.835,73.533 149.835,49.657 183.109,49.657 ; 163.626,221.742 163.626,223.012 163.626,246.888 130.352,246.888 ; 181.305,201.295 206.781,201.295 214.579,201.295 214.579,270.891 ; 182.702,25.4 183.109,25.806 183.109,35.551 ; 183.083,90.627 278.181,90.627 278.181,117.704 226.162,117.704 226.111,117.754 226.111,270.84 ; 183.109,35.616 183.109,49.657 ; 183.134,39.624 199.136,39.624 252.273,39.624 252.273,74.32 246.863,74.32 246.863,69.393 240.233,69.393 ; 203.403,80.67 282.55,80.67 282.55,128.321 235.788,128.321 235.788,175.133 ; 203.479,80.67 196.723,80.67 196.723,68.885 203.403,68.885 203.403,74.879 209.22,74.879 209.22,59.233 ; 209.169,59.309 209.169,42.469 240.233,42.469 240.233,69.418 ; 226.111,235.128 298.78,235.128 298.78,213.487 309.27,213.487 309.27,204.927 296.494,204.927 296.494,198.018 292.151,198.018 292.151,232.639 283.54,232.639 283.54,216.383 274.371,216.383 274.371,220.777 276.504,220.777 276.504,230.302 267.487,230.302 267.487,223.088 262.357,223.088 262.357,213.944 235.839,213.944 235.839,175.133 ; 25.5,246.761 25.5,191.516 31.215,191.516 ; 31.215,191.516 40.994,191.516 40.994,201.041 56.996,201.041 58.901,201.041 58.901,220.98 58.901,221.615 31.215,221.615 31.215,191.516 ; 71.755,104.775 77.47,104.775 77.47,49.53 ; 71.755,104.775 61.976,104.775 61.976,95.25 45.974,95.25 44.069,95.25 44.069,75.311 44.069,74.676 71.755,74.676 71.755,104.775 ; 77.799,246.888 77.799,191.643 83.514,191.643 ; 83.514,191.643 93.293,191.643 93.293,201.168 109.295,201.168 111.2,201.168 111.2,221.107 111.2,221.742 83.514,221.742 83.514,191.643 ; 124.714,104.775 130.429,104.775 130.429,49.53 ; 124.714,104.775 114.935,104.775 114.935,95.25 98.933,95.25 97.028,95.25 97.028,75.311 97.028,74.676 124.714,74.676 124.714,104.775 ; 130.352,246.888 130.352,191.643 136.067,191.643 ; 136.067,191.643 145.846,191.643 145.846,201.168 161.848,201.168 163.753,201.168 163.753,221.107 163.753,221.742 136.067,221.742 136.067,191.643 ; 177.394,104.902 183.109,104.902 183.109,49.657 ; 177.394,104.902 167.615,104.902 167.615,95.377 151.613,95.377 149.708,95.377 149.708,75.438 149.708,74.803 177.394,74.803 177.394,104.902
  lines w2: 25.702,35.616 182.547,35.616

## Silkscreen, mask and mechanical layers (free items; w line width, h text height)
Top Overlay:
  text "phase current A-" at 107.136,235.966 h0.7 r180
  text "phase current A-" at 159.689,235.966 h0.7 r180
  text "phase current A-" at 54.837,235.839 h0.7 r180
  text "V-" at 307.061,235.788 h0.7 r270
  text "Ref" at 256.921,229.54 h0.7
  text "phase current A+" at 107.136,223.901 h0.7 r180
  text "phase current A+" at 159.689,223.901 h0.7 r180
  text "phase current A+" at 54.837,223.774 h0.7 r180
  text "V+" at 299.212,214.376 h0.7
  text "phase current B-" at 107.136,211.963 h0.7 r180
  text "phase current B-" at 159.689,211.963 h0.7 r180
  text "phase current B-" at 54.837,211.836 h0.7 r180
  text "phase current B+" at 106.628,199.39 h0.7 r180
  text "phase current B+" at 159.181,199.39 h0.7 r180
  text "phase current B+" at 54.329,199.263 h0.7 r180
  text "phase current B+" at 154.28,97.155 h0.7
  text "phase current B+" at 48.641,97.028 h0.7
  text "phase current B+" at 101.6,97.028 h0.7
  text "phase current B-" at 153.772,84.582 h0.7
  text "phase current B-" at 48.133,84.455 h0.7
  text "phase current B-" at 101.092,84.455 h0.7
  text "phase current A+" at 153.772,72.644 h0.7
  text "phase current A+" at 48.133,72.517 h0.7
  text "phase current A+" at 101.092,72.517 h0.7
  text "phase current A-" at 153.772,60.579 h0.7
  text "phase current A-" at 48.133,60.452 h0.7
  text "phase current A-" at 101.092,60.452 h0.7

## Text inside footprints (layer, text, board x,y; h text height)
C137a: Top Overlay "+" at 209.57,186.671 h1 r90
CON1: Mechanical 2 "1" at 97.765,167.564 h2.36 r270
CON2: Mechanical 2 "1" at 128.803,117.069 h2.36
HEARTBEAT1: Mechanical 18 "A" at 144.648,155.008 h0.39 r90; Mechanical 18 "C" at 147.248,155.02 h0.39 r90
IC7: Top Overlay "7" at 268.687,259.199 h1.5; Top Overlay "5" at 274.731,252.91 h1.5; Top Overlay "3" at 268.55,246.279 h1.5; Top Overlay "1" at 262.799,252.803 h1.5
J2: Mechanical 7 "Default Padstyle: EX67Y67D47P" at 306.412,50.186 h1.27 r180; Mechanical 7 "1st Mtg Padstyle: EX138Y138D138P" at 307.365,52.091 h1.27 r180; Mechanical 7 "2nd Mtg Padstyle: EX70Y70D70P" at 306.412,53.996 h1.27 r180; Mechanical 7 "3rd Mtg Padstyle: EX70Y70D70P" at 306.412,55.901 h1.27 r180; Mechanical 7 "Left Mtg Padstyle: EX60Y60D30P" at 306.73,57.806 h1.27 r180; Mechanical 7 "Right Mtg Padstyle: EX60Y60D30P" at 307.047,59.711 h1.27 r180; Mechanical 7 "Alt Padstyle 1: OX60Y90D30P" at 305.777,61.616 h1.27 r180; Mechanical 7 "Alt Padstyle 2: OX90Y60D30P" at 305.777,63.521 h1.27 r180; Mechanical 7 "0.087in/2.2mm" at 303.119,18.588 h0.64 r180; Mechanical 7 "0.378in/9.6mm" at 299.269,13.508 h0.64 r180; Mechanical 7 "0.732in/18.593mm" at 299.745,10.968 h0.64 r180; Mechanical 7 "0.118in/3mm" at 284.86,43.054 h0.64 r180; Mechanical 7 "0.22in/5.6mm" at 281.428,38.754 h0.64 r180; Mechanical 7 "0.724in/18.39mm" at 321.932,26.551 h0.64 r180
P1_1: Mechanical 7 "0.963in/24.47mm" at 85.486,28.622 h0.64 r180; Mechanical 7 "0.88in/22.36mm" at 82.629,28.622 h0.64 r180; Mechanical 7 "0.3in/7.62mm" at 79.454,35.993 h0.64 r180; Mechanical 7 "0.28in/7.1mm" at 76.914,36.253 h0.64 r180; Mechanical 7 "0.118in/3mm" at 52.808,39.803 h0.64 r180; Mechanical 7 "0.559in/14.2mm" at 65.179,6.457 h0.64 r180; Mechanical 7 "0.323in/8.2mm" at 65.02,8.997 h0.64 r180; Mechanical 7 "0.087in/2.2mm" at 60.62,14.077 h0.64 r180; Mechanical 7 "Alt Padstyle 2: OX90Y60D30P" at 71.529,58.74 h1.27 r180; Mechanical 7 "Alt Padstyle 1: OX60Y90D30P" at 71.529,56.835 h1.27 r180; Mechanical 7 "Right Mtg Padstyle: EX60Y60D30P" at 72.799,54.93 h1.27 r180; Mechanical 7 "Left Mtg Padstyle: EX60Y60D30P" at 72.481,53.025 h1.27 r180; Mechanical 7 "3rd Mtg Padstyle: EX70Y70D70P" at 72.164,51.12 h1.27 r180; Mechanical 7 "2nd Mtg Padstyle: EX70Y70D70P" at 72.164,49.215 h1.27 r180; Mechanical 7 "1st Mtg Padstyle: RX0Y0D138P" at 71.846,47.31 h1.27 r180; Mechanical 7 "Default Padstyle: OX67Y67D47P" at 72.164,45.405 h1.27 r180
P1_2: Mechanical 7 "0.963in/24.47mm" at 138.445,28.622 h0.64 r180; Mechanical 7 "0.88in/22.36mm" at 135.588,28.622 h0.64 r180; Mechanical 7 "0.3in/7.62mm" at 132.413,35.993 h0.64 r180; Mechanical 7 "0.28in/7.1mm" at 129.873,36.253 h0.64 r180; Mechanical 7 "0.118in/3mm" at 105.767,39.803 h0.64 r180; Mechanical 7 "0.559in/14.2mm" at 118.138,6.457 h0.64 r180; Mechanical 7 "0.323in/8.2mm" at 117.979,8.997 h0.64 r180; Mechanical 7 "0.087in/2.2mm" at 113.579,14.077 h0.64 r180; Mechanical 7 "Alt Padstyle 2: OX90Y60D30P" at 124.488,58.74 h1.27 r180; Mechanical 7 "Alt Padstyle 1: OX60Y90D30P" at 124.488,56.835 h1.27 r180; Mechanical 7 "Right Mtg Padstyle: EX60Y60D30P" at 125.758,54.93 h1.27 r180; Mechanical 7 "Left Mtg Padstyle: EX60Y60D30P" at 125.44,53.025 h1.27 r180; Mechanical 7 "3rd Mtg Padstyle: EX70Y70D70P" at 125.123,51.12 h1.27 r180; Mechanical 7 "2nd Mtg Padstyle: EX70Y70D70P" at 125.123,49.215 h1.27 r180; Mechanical 7 "1st Mtg Padstyle: RX0Y0D138P" at 124.805,47.31 h1.27 r180; Mechanical 7 "Default Padstyle: OX67Y67D47P" at 125.123,45.405 h1.27 r180
P1_3: Mechanical 7 "0.963in/24.47mm" at 191.126,28.749 h0.64 r180; Mechanical 7 "0.88in/22.36mm" at 188.268,28.749 h0.64 r180; Mechanical 7 "0.3in/7.62mm" at 185.093,36.12 h0.64 r180; Mechanical 7 "0.28in/7.1mm" at 182.553,36.38 h0.64 r180; Mechanical 7 "0.118in/3mm" at 158.447,39.93 h0.64 r180; Mechanical 7 "0.559in/14.2mm" at 170.818,6.584 h0.64 r180; Mechanical 7 "0.323in/8.2mm" at 170.659,9.124 h0.64 r180; Mechanical 7 "0.087in/2.2mm" at 166.259,14.204 h0.64 r180; Mechanical 7 "Alt Padstyle 2: OX90Y60D30P" at 177.168,58.867 h1.27 r180; Mechanical 7 "Alt Padstyle 1: OX60Y90D30P" at 177.168,56.962 h1.27 r180; Mechanical 7 "Right Mtg Padstyle: EX60Y60D30P" at 178.438,55.057 h1.27 r180; Mechanical 7 "Left Mtg Padstyle: EX60Y60D30P" at 178.12,53.152 h1.27 r180; Mechanical 7 "3rd Mtg Padstyle: EX70Y70D70P" at 177.803,51.247 h1.27 r180; Mechanical 7 "2nd Mtg Padstyle: EX70Y70D70P" at 177.803,49.342 h1.27 r180; Mechanical 7 "1st Mtg Padstyle: RX0Y0D138P" at 177.485,47.437 h1.27 r180; Mechanical 7 "Default Padstyle: OX67Y67D47P" at 177.803,45.532 h1.27 r180
P1_4: Mechanical 7 "0.963in/24.47mm" at 122.335,267.796 h0.64; Mechanical 7 "0.88in/22.36mm" at 125.193,267.796 h0.64; Mechanical 7 "0.3in/7.62mm" at 128.368,260.425 h0.64; Mechanical 7 "0.28in/7.1mm" at 130.908,260.165 h0.64; Mechanical 7 "0.118in/3mm" at 155.014,256.615 h0.64; Mechanical 7 "0.559in/14.2mm" at 142.643,289.961 h0.64; Mechanical 7 "0.323in/8.2mm" at 142.802,287.421 h0.64; Mechanical 7 "0.087in/2.2mm" at 147.202,282.341 h0.64; Mechanical 7 "Alt Padstyle 2: OX90Y60D30P" at 136.293,237.678 h1.27; Mechanical 7 "Alt Padstyle 1: OX60Y90D30P" at 136.293,239.583 h1.27; Mechanical 7 "Right Mtg Padstyle: EX60Y60D30P" at 135.023,241.488 h1.27; Mechanical 7 "Left Mtg Padstyle: EX60Y60D30P" at 135.341,243.393 h1.27; Mechanical 7 "3rd Mtg Padstyle: EX70Y70D70P" at 135.658,245.298 h1.27; Mechanical 7 "2nd Mtg Padstyle: EX70Y70D70P" at 135.658,247.203 h1.27; Mechanical 7 "1st Mtg Padstyle: RX0Y0D138P" at 135.976,249.108 h1.27; Mechanical 7 "Default Padstyle: OX67Y67D47P" at 135.658,251.013 h1.27
P1_5: Mechanical 7 "0.963in/24.47mm" at 69.782,267.796 h0.64; Mechanical 7 "0.88in/22.36mm" at 72.64,267.796 h0.64; Mechanical 7 "0.3in/7.62mm" at 75.815,260.425 h0.64; Mechanical 7 "0.28in/7.1mm" at 78.355,260.165 h0.64; Mechanical 7 "0.118in/3mm" at 102.461,256.615 h0.64; Mechanical 7 "0.559in/14.2mm" at 90.09,289.961 h0.64; Mechanical 7 "0.323in/8.2mm" at 90.249,287.421 h0.64; Mechanical 7 "0.087in/2.2mm" at 94.649,282.341 h0.64; Mechanical 7 "Alt Padstyle 2: OX90Y60D30P" at 83.74,237.678 h1.27; Mechanical 7 "Alt Padstyle 1: OX60Y90D30P" at 83.74,239.583 h1.27; Mechanical 7 "Right Mtg Padstyle: EX60Y60D30P" at 82.47,241.488 h1.27; Mechanical 7 "Left Mtg Padstyle: EX60Y60D30P" at 82.788,243.393 h1.27; Mechanical 7 "3rd Mtg Padstyle: EX70Y70D70P" at 83.105,245.298 h1.27; Mechanical 7 "2nd Mtg Padstyle: EX70Y70D70P" at 83.105,247.203 h1.27; Mechanical 7 "1st Mtg Padstyle: RX0Y0D138P" at 83.423,249.108 h1.27; Mechanical 7 "Default Padstyle: OX67Y67D47P" at 83.105,251.013 h1.27
P1_6: Mechanical 7 "0.963in/24.47mm" at 17.483,267.669 h0.64; Mechanical 7 "0.88in/22.36mm" at 20.341,267.669 h0.64; Mechanical 7 "0.3in/7.62mm" at 23.516,260.298 h0.64; Mechanical 7 "0.28in/7.1mm" at 26.056,260.038 h0.64; Mechanical 7 "0.118in/3mm" at 50.162,256.488 h0.64; Mechanical 7 "0.559in/14.2mm" at 37.791,289.834 h0.64; Mechanical 7 "0.323in/8.2mm" at 37.95,287.294 h0.64; Mechanical 7 "0.087in/2.2mm" at 42.35,282.214 h0.64; Mechanical 7 "Alt Padstyle 2: OX90Y60D30P" at 31.441,237.551 h1.27; Mechanical 7 "Alt Padstyle 1: OX60Y90D30P" at 31.441,239.456 h1.27; Mechanical 7 "Right Mtg Padstyle: EX60Y60D30P" at 30.171,241.361 h1.27; Mechanical 7 "Left Mtg Padstyle: EX60Y60D30P" at 30.489,243.266 h1.27; Mechanical 7 "3rd Mtg Padstyle: EX70Y70D70P" at 30.806,245.171 h1.27; Mechanical 7 "2nd Mtg Padstyle: EX70Y70D70P" at 30.806,247.076 h1.27; Mechanical 7 "1st Mtg Padstyle: RX0Y0D138P" at 31.124,248.981 h1.27; Mechanical 7 "Default Padstyle: OX67Y67D47P" at 30.806,250.886 h1.27